# KiCad board badge.kicad_pcb (continued)
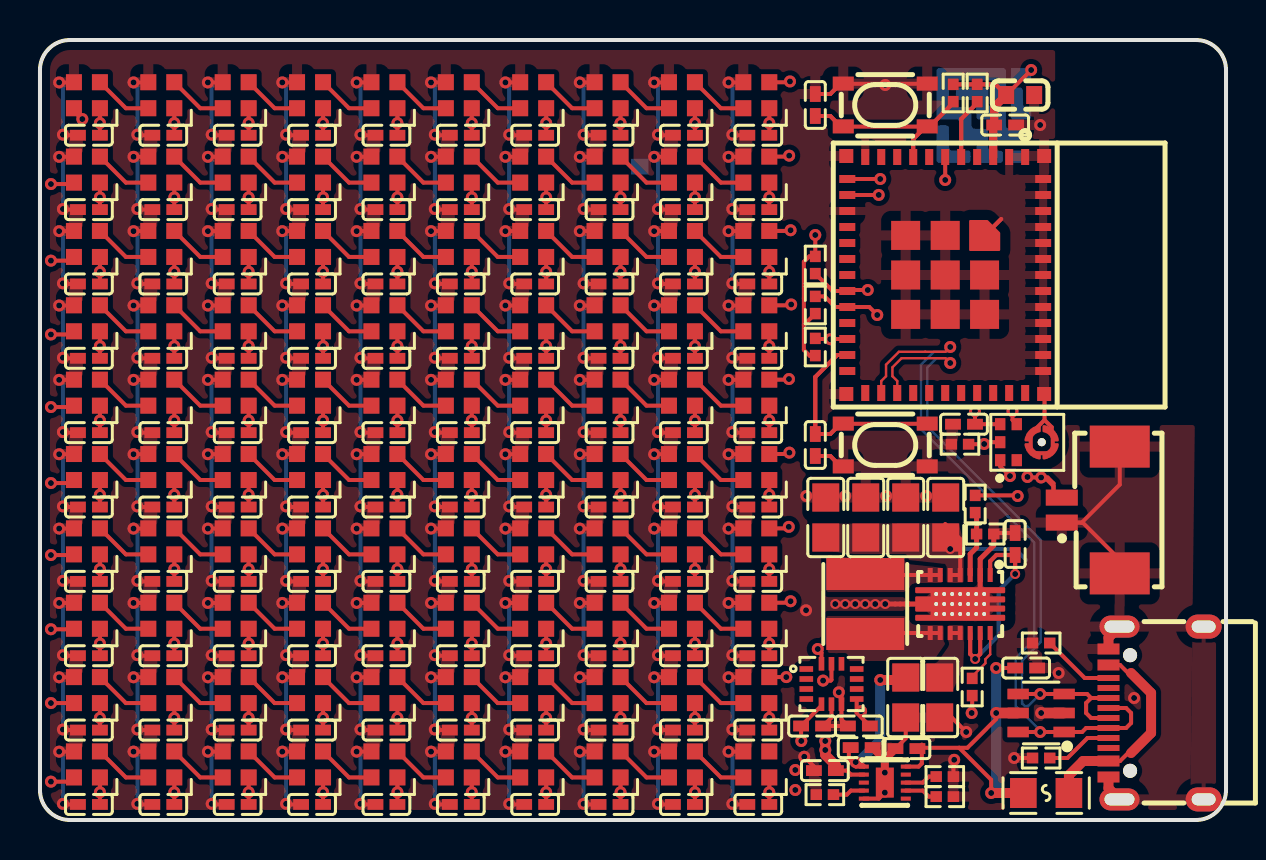
[diagram p0: board, top side]
## Library data of the parts (continued)
LED71 = -: __atopile_lib_fp_hash__: 180da655-92ec-f3a9-06cc-15ce99e7547f; LCSC: C2890036; Manufacturer: OPSCO; Partnumber: SK6805-EC20; atopile_address: led_grid.rows[7].leds[0].package; atopile_subaddresses: [.ato/modules/atopile/addressable-leds/layouts/default/default.kicad_pcb:package, layouts/grid100x100/grid100x100.kicad_pcb:rows[7].leds[0].package, layouts/strip10/strip10.kicad_pcb:leds[0].package]
LED72 = -: __atopile_lib_fp_hash__: 180da655-92ec-f3a9-06cc-15ce99e7547f; LCSC: C2890036; Manufacturer: OPSCO; Partnumber: SK6805-EC20; atopile_address: led_grid.rows[7].leds[1].package; atopile_subaddresses: [.ato/modules/atopile/addressable-leds/layouts/default/default.kicad_pcb:package, layouts/grid100x100/grid100x100.kicad_pcb:rows[7].leds[1].package, layouts/strip10/strip10.kicad_pcb:leds[1].package]
LED73 = -: __atopile_lib_fp_hash__: 180da655-92ec-f3a9-06cc-15ce99e7547f; LCSC: C2890036; Manufacturer: OPSCO; Partnumber: SK6805-EC20; atopile_address: led_grid.rows[7].leds[2].package; atopile_subaddresses: [.ato/modules/atopile/addressable-leds/layouts/default/default.kicad_pcb:package, layouts/grid100x100/grid100x100.kicad_pcb:rows[7].leds[2].package, layouts/strip10/strip10.kicad_pcb:leds[2].package]
LED74 = -: __atopile_lib_fp_hash__: 180da655-92ec-f3a9-06cc-15ce99e7547f; LCSC: C2890036; Manufacturer: OPSCO; Partnumber: SK6805-EC20; atopile_address: led_grid.rows[7].leds[3].package; atopile_subaddresses: [.ato/modules/atopile/addressable-leds/layouts/default/default.kicad_pcb:package, layouts/grid100x100/grid100x100.kicad_pcb:rows[7].leds[3].package, layouts/strip10/strip10.kicad_pcb:leds[3].package]
LED75 = -: __atopile_lib_fp_hash__: 180da655-92ec-f3a9-06cc-15ce99e7547f; LCSC: C2890036; Manufacturer: OPSCO; Partnumber: SK6805-EC20; atopile_address: led_grid.rows[7].leds[4].package; atopile_subaddresses: [.ato/modules/atopile/addressable-leds/layouts/default/default.kicad_pcb:package, layouts/grid100x100/grid100x100.kicad_pcb:rows[7].leds[4].package, layouts/strip10/strip10.kicad_pcb:leds[4].package]
LED76 = -: __atopile_lib_fp_hash__: 180da655-92ec-f3a9-06cc-15ce99e7547f; LCSC: C2890036; Manufacturer: OPSCO; Partnumber: SK6805-EC20; atopile_address: led_grid.rows[7].leds[5].package; atopile_subaddresses: [.ato/modules/atopile/addressable-leds/layouts/default/default.kicad_pcb:package, layouts/grid100x100/grid100x100.kicad_pcb:rows[7].leds[5].package, layouts/strip10/strip10.kicad_pcb:leds[5].package]
LED77 = -: __atopile_lib_fp_hash__: 180da655-92ec-f3a9-06cc-15ce99e7547f; LCSC: C2890036; Manufacturer: OPSCO; Partnumber: SK6805-EC20; atopile_address: led_grid.rows[7].leds[6].package; atopile_subaddresses: [.ato/modules/atopile/addressable-leds/layouts/default/default.kicad_pcb:package, layouts/grid100x100/grid100x100.kicad_pcb:rows[7].leds[6].package, layouts/strip10/strip10.kicad_pcb:leds[6].package]
LED78 = -: __atopile_lib_fp_hash__: 180da655-92ec-f3a9-06cc-15ce99e7547f; LCSC: C2890036; Manufacturer: OPSCO; Partnumber: SK6805-EC20; atopile_address: led_grid.rows[7].leds[7].package; atopile_subaddresses: [.ato/modules/atopile/addressable-leds/layouts/default/default.kicad_pcb:package, layouts/grid100x100/grid100x100.kicad_pcb:rows[7].leds[7].package, layouts/strip10/strip10.kicad_pcb:leds[7].package]
LED79 = -: __atopile_lib_fp_hash__: 180da655-92ec-f3a9-06cc-15ce99e7547f; LCSC: C2890036; Manufacturer: OPSCO; Partnumber: SK6805-EC20; atopile_address: led_grid.rows[7].leds[8].package; atopile_subaddresses: [.ato/modules/atopile/addressable-leds/layouts/default/default.kicad_pcb:package, layouts/grid100x100/grid100x100.kicad_pcb:rows[7].leds[8].package, layouts/strip10/strip10.kicad_pcb:leds[8].package]
LED80 = -: __atopile_lib_fp_hash__: 180da655-92ec-f3a9-06cc-15ce99e7547f; LCSC: C2890036; Manufacturer: OPSCO; Partnumber: SK6805-EC20; atopile_address: led_grid.rows[7].leds[9].package; atopile_subaddresses: [.ato/modules/atopile/addressable-leds/layouts/default/default.kicad_pcb:package, layouts/grid100x100/grid100x100.kicad_pcb:rows[7].leds[9].package, layouts/strip10/strip10.kicad_pcb:leds[9].package]
LED81 = -: __atopile_lib_fp_hash__: 180da655-92ec-f3a9-06cc-15ce99e7547f; LCSC: C2890036; Manufacturer: OPSCO; Partnumber: SK6805-EC20; atopile_address: led_grid.rows[8].leds[0].package; atopile_subaddresses: [.ato/modules/atopile/addressable-leds/layouts/default/default.kicad_pcb:package, layouts/grid100x100/grid100x100.kicad_pcb:rows[8].leds[0].package, layouts/strip10/strip10.kicad_pcb:leds[0].package]
LED82 = -: __atopile_lib_fp_hash__: 180da655-92ec-f3a9-06cc-15ce99e7547f; LCSC: C2890036; Manufacturer: OPSCO; Partnumber: SK6805-EC20; atopile_address: led_grid.rows[8].leds[1].package; atopile_subaddresses: [.ato/modules/atopile/addressable-leds/layouts/default/default.kicad_pcb:package, layouts/grid100x100/grid100x100.kicad_pcb:rows[8].leds[1].package, layouts/strip10/strip10.kicad_pcb:leds[1].package]
LED83 = -: __atopile_lib_fp_hash__: 180da655-92ec-f3a9-06cc-15ce99e7547f; LCSC: C2890036; Manufacturer: OPSCO; Partnumber: SK6805-EC20; atopile_address: led_grid.rows[8].leds[2].package; atopile_subaddresses: [.ato/modules/atopile/addressable-leds/layouts/default/default.kicad_pcb:package, layouts/grid100x100/grid100x100.kicad_pcb:rows[8].leds[2].package, layouts/strip10/strip10.kicad_pcb:leds[2].package]
LED84 = -: __atopile_lib_fp_hash__: 180da655-92ec-f3a9-06cc-15ce99e7547f; LCSC: C2890036; Manufacturer: OPSCO; Partnumber: SK6805-EC20; atopile_address: led_grid.rows[8].leds[3].package; atopile_subaddresses: [.ato/modules/atopile/addressable-leds/layouts/default/default.kicad_pcb:package, layouts/grid100x100/grid100x100.kicad_pcb:rows[8].leds[3].package, layouts/strip10/strip10.kicad_pcb:leds[3].package]
LED85 = -: __atopile_lib_fp_hash__: 180da655-92ec-f3a9-06cc-15ce99e7547f; LCSC: C2890036; Manufacturer: OPSCO; Partnumber: SK6805-EC20; atopile_address: led_grid.rows[8].leds[4].package; atopile_subaddresses: [.ato/modules/atopile/addressable-leds/layouts/default/default.kicad_pcb:package, layouts/grid100x100/grid100x100.kicad_pcb:rows[8].leds[4].package, layouts/strip10/strip10.kicad_pcb:leds[4].package]
LED86 = -: __atopile_lib_fp_hash__: 180da655-92ec-f3a9-06cc-15ce99e7547f; LCSC: C2890036; Manufacturer: OPSCO; Partnumber: SK6805-EC20; atopile_address: led_grid.rows[8].leds[5].package; atopile_subaddresses: [.ato/modules/atopile/addressable-leds/layouts/default/default.kicad_pcb:package, layouts/grid100x100/grid100x100.kicad_pcb:rows[8].leds[5].package, layouts/strip10/strip10.kicad_pcb:leds[5].package]
LED87 = -: __atopile_lib_fp_hash__: 180da655-92ec-f3a9-06cc-15ce99e7547f; LCSC: C2890036; Manufacturer: OPSCO; Partnumber: SK6805-EC20; atopile_address: led_grid.rows[8].leds[6].package; atopile_subaddresses: [.ato/modules/atopile/addressable-leds/layouts/default/default.kicad_pcb:package, layouts/grid100x100/grid100x100.kicad_pcb:rows[8].leds[6].package, layouts/strip10/strip10.kicad_pcb:leds[6].package]
LED88 = -: __atopile_lib_fp_hash__: 180da655-92ec-f3a9-06cc-15ce99e7547f; LCSC: C2890036; Manufacturer: OPSCO; Partnumber: SK6805-EC20; atopile_address: led_grid.rows[8].leds[7].package; atopile_subaddresses: [.ato/modules/atopile/addressable-leds/layouts/default/default.kicad_pcb:package, layouts/grid100x100/grid100x100.kicad_pcb:rows[8].leds[7].package, layouts/strip10/strip10.kicad_pcb:leds[7].package]
LED89 = -: __atopile_lib_fp_hash__: 180da655-92ec-f3a9-06cc-15ce99e7547f; LCSC: C2890036; Manufacturer: OPSCO; Partnumber: SK6805-EC20; atopile_address: led_grid.rows[8].leds[8].package; atopile_subaddresses: [.ato/modules/atopile/addressable-leds/layouts/default/default.kicad_pcb:package, layouts/grid100x100/grid100x100.kicad_pcb:rows[8].leds[8].package, layouts/strip10/strip10.kicad_pcb:leds[8].package]
LED90 = -: __atopile_lib_fp_hash__: 180da655-92ec-f3a9-06cc-15ce99e7547f; LCSC: C2890036; Manufacturer: OPSCO; Partnumber: SK6805-EC20; atopile_address: led_grid.rows[8].leds[9].package; atopile_subaddresses: [.ato/modules/atopile/addressable-leds/layouts/default/default.kicad_pcb:package, layouts/grid100x100/grid100x100.kicad_pcb:rows[8].leds[9].package, layouts/strip10/strip10.kicad_pcb:leds[9].package]
LED91 = -: __atopile_lib_fp_hash__: 180da655-92ec-f3a9-06cc-15ce99e7547f; LCSC: C2890036; Manufacturer: OPSCO; Partnumber: SK6805-EC20; atopile_address: led_grid.rows[9].leds[0].package; atopile_subaddresses: [.ato/modules/atopile/addressable-leds/layouts/default/default.kicad_pcb:package, layouts/grid100x100/grid100x100.kicad_pcb:rows[9].leds[0].package, layouts/strip10/strip10.kicad_pcb:leds[0].package]
LED92 = -: __atopile_lib_fp_hash__: 180da655-92ec-f3a9-06cc-15ce99e7547f; LCSC: C2890036; Manufacturer: OPSCO; Partnumber: SK6805-EC20; atopile_address: led_grid.rows[9].leds[1].package; atopile_subaddresses: [.ato/modules/atopile/addressable-leds/layouts/default/default.kicad_pcb:package, layouts/grid100x100/grid100x100.kicad_pcb:rows[9].leds[1].package, layouts/strip10/strip10.kicad_pcb:leds[1].package]
LED93 = -: __atopile_lib_fp_hash__: 180da655-92ec-f3a9-06cc-15ce99e7547f; LCSC: C2890036; Manufacturer: OPSCO; Partnumber: SK6805-EC20; atopile_address: led_grid.rows[9].leds[2].package; atopile_subaddresses: [.ato/modules/atopile/addressable-leds/layouts/default/default.kicad_pcb:package, layouts/grid100x100/grid100x100.kicad_pcb:rows[9].leds[2].package, layouts/strip10/strip10.kicad_pcb:leds[2].package]
LED94 = -: __atopile_lib_fp_hash__: 180da655-92ec-f3a9-06cc-15ce99e7547f; LCSC: C2890036; Manufacturer: OPSCO; Partnumber: SK6805-EC20; atopile_address: led_grid.rows[9].leds[3].package; atopile_subaddresses: [.ato/modules/atopile/addressable-leds/layouts/default/default.kicad_pcb:package, layouts/grid100x100/grid100x100.kicad_pcb:rows[9].leds[3].package, layouts/strip10/strip10.kicad_pcb:leds[3].package]
LED95 = -: __atopile_lib_fp_hash__: 180da655-92ec-f3a9-06cc-15ce99e7547f; LCSC: C2890036; Manufacturer: OPSCO; Partnumber: SK6805-EC20; atopile_address: led_grid.rows[9].leds[4].package; atopile_subaddresses: [.ato/modules/atopile/addressable-leds/layouts/default/default.kicad_pcb:package, layouts/grid100x100/grid100x100.kicad_pcb:rows[9].leds[4].package, layouts/strip10/strip10.kicad_pcb:leds[4].package]
LED96 = -: __atopile_lib_fp_hash__: 180da655-92ec-f3a9-06cc-15ce99e7547f; LCSC: C2890036; Manufacturer: OPSCO; Partnumber: SK6805-EC20; atopile_address: led_grid.rows[9].leds[5].package; atopile_subaddresses: [.ato/modules/atopile/addressable-leds/layouts/default/default.kicad_pcb:package, layouts/grid100x100/grid100x100.kicad_pcb:rows[9].leds[5].package, layouts/strip10/strip10.kicad_pcb:leds[5].package]
LED97 = -: __atopile_lib_fp_hash__: 180da655-92ec-f3a9-06cc-15ce99e7547f; LCSC: C2890036; Manufacturer: OPSCO; Partnumber: SK6805-EC20; atopile_address: led_grid.rows[9].leds[6].package; atopile_subaddresses: [.ato/modules/atopile/addressable-leds/layouts/default/default.kicad_pcb:package, layouts/grid100x100/grid100x100.kicad_pcb:rows[9].leds[6].package, layouts/strip10/strip10.kicad_pcb:leds[6].package]
LED98 = -: __atopile_lib_fp_hash__: 180da655-92ec-f3a9-06cc-15ce99e7547f; LCSC: C2890036; Manufacturer: OPSCO; Partnumber: SK6805-EC20; atopile_address: led_grid.rows[9].leds[7].package; atopile_subaddresses: [.ato/modules/atopile/addressable-leds/layouts/default/default.kicad_pcb:package, layouts/grid100x100/grid100x100.kicad_pcb:rows[9].leds[7].package, layouts/strip10/strip10.kicad_pcb:leds[7].package]
LED99 = -: __atopile_lib_fp_hash__: 180da655-92ec-f3a9-06cc-15ce99e7547f; LCSC: C2890036; Manufacturer: OPSCO; Partnumber: SK6805-EC20; atopile_address: led_grid.rows[9].leds[8].package; atopile_subaddresses: [.ato/modules/atopile/addressable-leds/layouts/default/default.kicad_pcb:package, layouts/grid100x100/grid100x100.kicad_pcb:rows[9].leds[8].package, layouts/strip10/strip10.kicad_pcb:leds[8].package]
LED100 = -: __atopile_lib_fp_hash__: 180da655-92ec-f3a9-06cc-15ce99e7547f; LCSC: C2890036; Manufacturer: OPSCO; Partnumber: SK6805-EC20; atopile_address: led_grid.rows[9].leds[9].package; atopile_subaddresses: [.ato/modules/atopile/addressable-leds/layouts/default/default.kicad_pcb:package, layouts/grid100x100/grid100x100.kicad_pcb:rows[9].leds[9].package, layouts/strip10/strip10.kicad_pcb:leds[9].package]
LOGO1 = -: __atopile_lib_fp_hash__: a6f4b020-c77c-5fe5-2484-78aef750a2fd; atopile_address: atopile_logo.logo; atopile_subaddresses: [.ato/modules/atopile/logos/layouts/atopile_logo_25x6mm/atopile_logo_25x6mm.kicad_pcb:logo]
R1 = -: Datasheet: https://www.lcsc.com/datasheet/lcsc_datasheet_2206010100_UNI-ROYAL-Uniroyal-Elec-0402WGF2003TCE_C25764.pdf; checksum: 333f6df0e4e1617c987dde252a9acb69257fe02061e79b2b6732e92a39f6e855; __atopile_lib_fp_hash__: 04e9ae95-ecb6-7b2b-d3a6-d184d2fc9ae1; LCSC: C25764; Manufacturer: UNI-ROYAL(Uniroyal Elec); Partnumber: 0402WGF2003TCE; PARAM_max_power: {"type": "Quantity_Set_Discrete", "data": {"intervals": {"type": "Numeric_Interval_Disjoint", "data": {"intervals": [{"type": "Numeric_Interval", "data": {"min": 0.0625, "max": 0.0625}}]}}, "unit": "watt"}}; PARAM_max_voltage: {"type": "Quantity_Set_Discrete", "data": {"intervals": {"type": "Numeric_Interval_Disjoint", "data": {"intervals": [{"type": "Numeric_Interval", "data": {"min": 50.0, "max": 50.0}}]}}, "unit": "volt"}}; PARAM_resistance: {"type": "Quantity_Interval_Disjoint", "data": {"intervals": {"type": "Numeric_Interval_Disjoint", "data": {"intervals": [{"type": "Numeric_Interval", "data": {"min": 198000.00004470348, "max": 201999.99995529652}}]}}, "unit": "ohm"}}; atopile_address: buck_boost.feedback_divider.r_bottom; atopile_subaddresses: [.ato/modules/atopile/ti-tps63020/layouts/default/default.kicad_pcb:feedback_divider.r_bottom]
R2 = -: Datasheet: https://www.lcsc.com/datasheet/lcsc_datasheet_2206010030_UNI-ROYAL-Uniroyal-Elec-0402WGF1004TCE_C26083.pdf; checksum: 4e5c80aeadf2e407e59edbc146a3be0359af5c5c3f9b75403df51c82660059ac; __atopile_lib_fp_hash__: bdae7d0f-916c-4c2a-0103-ba7f0cfd98f7; LCSC: C26083; Manufacturer: UNI-ROYAL(Uniroyal Elec); Partnumber: 0402WGF1004TCE; PARAM_max_power: {"type": "Quantity_Set_Discrete", "data": {"intervals": {"type": "Numeric_Interval_Disjoint", "data": {"intervals": [{"type": "Numeric_Interval", "data": {"min": 0.0625, "max": 0.0625}}]}}, "unit": "watt"}}; PARAM_max_voltage: {"type": "Quantity_Set_Discrete", "data": {"intervals": {"type": "Numeric_Interval_Disjoint", "data": {"intervals": [{"type": "Numeric_Interval", "data": {"min": 50.0, "max": 50.0}}]}}, "unit": "volt"}}; PARAM_resistance: {"type": "Quantity_Interval_Disjoint", "data": {"intervals": {"type": "Numeric_Interval_Disjoint", "data": {"intervals": [{"type": "Numeric_Interval", "data": {"min": 990000.0002235174, "max": 1009999.9997764826}}]}}, "unit": "ohm"}}; atopile_address: buck_boost.feedback_divider.r_top; atopile_subaddresses: [.ato/modules/atopile/ti-tps63020/layouts/default/default.kicad_pcb:feedback_divider.r_top]
R3 = -: Datasheet: https://www.lcsc.com/datasheet/lcsc_datasheet_2206010030_UNI-ROYAL-Uniroyal-Elec-0402WGF1004TCE_C26083.pdf; checksum: 4e5c80aeadf2e407e59edbc146a3be0359af5c5c3f9b75403df51c82660059ac; __atopile_lib_fp_hash__: bdae7d0f-916c-4c2a-0103-ba7f0cfd98f7; LCSC: C26083; Manufacturer: UNI-ROYAL(Uniroyal Elec); Partnumber: 0402WGF1004TCE; PARAM_max_power: {"type": "Quantity_Set_Discrete", "data": {"intervals": {"type": "Numeric_Interval_Disjoint", "data": {"intervals": [{"type": "Numeric_Interval", "data": {"min": 0.0625, "max": 0.0625}}]}}, "unit": "watt"}}; PARAM_max_voltage: {"type": "Quantity_Set_Discrete", "data": {"intervals": {"type": "Numeric_Interval_Disjoint", "data": {"intervals": [{"type": "Numeric_Interval", "data": {"min": 50.0, "max": 50.0}}]}}, "unit": "volt"}}; PARAM_resistance: {"type": "Quantity_Interval_Disjoint", "data": {"intervals": {"type": "Numeric_Interval_Disjoint", "data": {"intervals": [{"type": "Numeric_Interval", "data": {"min": 990000.0002235174, "max": 1009999.9997764826}}]}}, "unit": "ohm"}}; atopile_address: buck_boost.power_good_resistor; atopile_subaddresses: [.ato/modules/atopile/ti-tps63020/layouts/default/default.kicad_pcb:power_good_resistor]
R4 = -: Datasheet: https://www.lcsc.com/datasheet/lcsc_datasheet_2411221126_UNI-ROYAL-Uniroyal-Elec-0402WGF1002TCE_C25744.pdf; checksum: ab8092c5206f4459d5858c652ec7d6e0be05596abb3bee276846f4a8302a4aa7; __atopile_lib_fp_hash__: 6ac63c74-fffe-0d26-791c-a7d4300143f0; LCSC: C25744; Manufacturer: UNI-ROYAL(Uniroyal Elec); Partnumber: 0402WGF1002TCE; PARAM_max_power: {"type": "Quantity_Set_Discrete", "data": {"intervals": {"type": "Numeric_Interval_Disjoint", "data": {"intervals": [{"type": "Numeric_Interval", "data": {"min": 0.0625, "max": 0.0625}}]}}, "unit": "watt"}}; PARAM_max_voltage: {"type": "Quantity_Set_Discrete", "data": {"intervals": {"type": "Numeric_Interval_Disjoint", "data": {"intervals": [{"type": "Numeric_Interval", "data": {"min": 50.0, "max": 50.0}}]}}, "unit": "volt"}}; PARAM_resistance: {"type": "Quantity_Interval_Disjoint", "data": {"intervals": {"type": "Numeric_Interval_Disjoint", "data": {"intervals": [{"type": "Numeric_Interval", "data": {"min": 9900.000002235174, "max": 10099.999997764826}}]}}, "unit": "ohm"}}; atopile_address: charger.charge_current_limit_control_resistor; atopile_subaddresses: [.ato/modules/atopile/ti-bq25185/layouts/bq25185_driver/bq25185_driver.kicad_pcb:charge_current_limit_control_resistor]
R5 = -: Datasheet: https://www.lcsc.com/datasheet/lcsc_datasheet_2206010100_UNI-ROYAL-Uniroyal-Elec-0402WGF1003TCE_C25741.pdf; checksum: 7bb414525b622fc970be02895c7cc868e0825a843c504ab87c284a5ce6ebbcb7; __atopile_lib_fp_hash__: f465aa50-63a0-910d-63b6-1f640d079857; LCSC: C25741; Manufacturer: UNI-ROYAL(Uniroyal Elec); Partnumber: 0402WGF1003TCE; PARAM_max_power: {"type": "Quantity_Set_Discrete", "data": {"intervals": {"type": "Numeric_Interval_Disjoint", "data": {"intervals": [{"type": "Numeric_Interval", "data": {"min": 0.0625, "max": 0.0625}}]}}, "unit": "watt"}}; PARAM_max_voltage: {"type": "Quantity_Set_Discrete", "data": {"intervals": {"type": "Numeric_Interval_Disjoint", "data": {"intervals": [{"type": "Numeric_Interval", "data": {"min": 50.0, "max": 50.0}}]}}, "unit": "volt"}}; PARAM_resistance: {"type": "Quantity_Interval_Disjoint", "data": {"intervals": {"type": "Numeric_Interval_Disjoint", "data": {"intervals": [{"type": "Numeric_Interval", "data": {"min": 99000.00002235174, "max": 100999.99997764826}}]}}, "unit": "ohm"}}; atopile_address: microphone.sd_pulldown_resistor; atopile_subaddresses: [.ato/modules/atopile/microphones/layouts/tdk_invensense_ics_43434/tdk_invensense_ics_43434.kicad_pcb:sd_pulldown_resistor]
R6 = -: Datasheet: https://www.lcsc.com/datasheet/lcsc_datasheet_2206010045_UNI-ROYAL-Uniroyal-Elec-0402WGF5101TCE_C25905.pdf; checksum: 37a3d3b66d62384d2410d66a66b7d3f37c94edcc0b313eceb37e033449c2a411; __atopile_lib_fp_hash__: ee092677-e336-9dc2-612a-587e83df734b; LCSC: C25905; Manufacturer: UNI-ROYAL(Uniroyal Elec); Partnumber: 0402WGF5101TCE; PARAM_max_power: {"type": "Quantity_Set_Discrete", "data": {"intervals": {"type": "Numeric_Interval_Disjoint", "data": {"intervals": [{"type": "Numeric_Interval", "data": {"min": 0.0625, "max": 0.0625}}]}}, "unit": "watt"}}; PARAM_max_voltage: {"type": "Quantity_Set_Discrete", "data": {"intervals": {"type": "Numeric_Interval_Disjoint", "data": {"intervals": [{"type": "Numeric_Interval", "data": {"min": 50.0, "max": 50.0}}]}}, "unit": "volt"}}; PARAM_resistance: {"type": "Quantity_Interval_Disjoint", "data": {"intervals": {"type": "Numeric_Interval_Disjoint", "data": {"intervals": [{"type": "Numeric_Interval", "data": {"min": 5049.000001139939, "max": 5150.999998860061}}]}}, "unit": "ohm"}}; atopile_address: usb_c.cc_resistors[0]; atopile_subaddresses: [.ato/modules/atopile/usb-connectors/layouts/default/default.kicad_pcb:cc_resistors[0]]
R7 = -: Datasheet: https://www.lcsc.com/datasheet/lcsc_datasheet_2411221126_UNI-ROYAL-Uniroyal-Elec-0402WGF1002TCE_C25744.pdf; checksum: ab8092c5206f4459d5858c652ec7d6e0be05596abb3bee276846f4a8302a4aa7; __atopile_lib_fp_hash__: 6ac63c74-fffe-0d26-791c-a7d4300143f0; LCSC: C25744; Manufacturer: UNI-ROYAL(Uniroyal Elec); Partnumber: 0402WGF1002TCE; PARAM_max_power: {"type": "Quantity_Set_Discrete", "data": {"intervals": {"type": "Numeric_Interval_Disjoint", "data": {"intervals": [{"type": "Numeric_Interval", "data": {"min": 0.0625, "max": 0.0625}}]}}, "unit": "watt"}}; PARAM_max_voltage: {"type": "Quantity_Set_Discrete", "data": {"intervals": {"type": "Numeric_Interval_Disjoint", "data": {"intervals": [{"type": "Numeric_Interval", "data": {"min": 50.0, "max": 50.0}}]}}, "unit": "volt"}}; PARAM_resistance: {"type": "Quantity_Interval_Disjoint", "data": {"intervals": {"type": "Numeric_Interval_Disjoint", "data": {"intervals": [{"type": "Numeric_Interval", "data": {"min": 9900.000002235174, "max": 10099.999997764826}}]}}, "unit": "ohm"}}; atopile_address: microcontroller.boot_mode_resistors[0]; atopile_subaddresses: [.ato/modules/atopile/espressif-esp32-c3/layouts/esp32_c3_mini_1_driver/esp32_c3_mini_1_driver.kicad_pcb:boot_mode_resistors[0]]
R8 = -: Datasheet: https://www.lcsc.com/datasheet/lcsc_datasheet_2411221126_UNI-ROYAL-Uniroyal-Elec-0402WGF1002TCE_C25744.pdf; checksum: ab8092c5206f4459d5858c652ec7d6e0be05596abb3bee276846f4a8302a4aa7; __atopile_lib_fp_hash__: 6ac63c74-fffe-0d26-791c-a7d4300143f0; LCSC: C25744; Manufacturer: UNI-ROYAL(Uniroyal Elec); Partnumber: 0402WGF1002TCE; PARAM_max_power: {"type": "Quantity_Set_Discrete", "data": {"intervals": {"type": "Numeric_Interval_Disjoint", "data": {"intervals": [{"type": "Numeric_Interval", "data": {"min": 0.0625, "max": 0.0625}}]}}, "unit": "watt"}}; PARAM_max_voltage: {"type": "Quantity_Set_Discrete", "data": {"intervals": {"type": "Numeric_Interval_Disjoint", "data": {"intervals": [{"type": "Numeric_Interval", "data": {"min": 50.0, "max": 50.0}}]}}, "unit": "volt"}}; PARAM_resistance: {"type": "Quantity_Interval_Disjoint", "data": {"intervals": {"type": "Numeric_Interval_Disjoint", "data": {"intervals": [{"type": "Numeric_Interval", "data": {"min": 9900.000002235174, "max": 10099.999997764826}}]}}, "unit": "ohm"}}; atopile_address: microcontroller.boot_mode_resistors[1]; atopile_subaddresses: [.ato/modules/atopile/espressif-esp32-c3/layouts/esp32_c3_mini_1_driver/esp32_c3_mini_1_driver.kicad_pcb:boot_mode_resistors[1]]
R9 = -: Datasheet: https://www.lcsc.com/datasheet/lcsc_datasheet_2206010045_UNI-ROYAL-Uniroyal-Elec-0402WGF5101TCE_C25905.pdf; checksum: 37a3d3b66d62384d2410d66a66b7d3f37c94edcc0b313eceb37e033449c2a411; __atopile_lib_fp_hash__: ee092677-e336-9dc2-612a-587e83df734b; LCSC: C25905; Manufacturer: UNI-ROYAL(Uniroyal Elec); Partnumber: 0402WGF5101TCE; PARAM_max_power: {"type": "Quantity_Set_Discrete", "data": {"intervals": {"type": "Numeric_Interval_Disjoint", "data": {"intervals": [{"type": "Numeric_Interval", "data": {"min": 0.0625, "max": 0.0625}}]}}, "unit": "watt"}}; PARAM_max_voltage: {"type": "Quantity_Set_Discrete", "data": {"intervals": {"type": "Numeric_Interval_Disjoint", "data": {"intervals": [{"type": "Numeric_Interval", "data": {"min": 50.0, "max": 50.0}}]}}, "unit": "volt"}}; PARAM_resistance: {"type": "Quantity_Interval_Disjoint", "data": {"intervals": {"type": "Numeric_Interval_Disjoint", "data": {"intervals": [{"type": "Numeric_Interval", "data": {"min": 5049.000001139939, "max": 5150.999998860061}}]}}, "unit": "ohm"}}; atopile_address: usb_c.cc_resistors[1]; atopile_subaddresses: [.ato/modules/atopile/usb-connectors/layouts/default/default.kicad_pcb:cc_resistors[1]]
R11 = -: Datasheet: https://www.lcsc.com/datasheet/lcsc_datasheet_2411221126_UNI-ROYAL-Uniroyal-Elec-0402WGF1002TCE_C25744.pdf; checksum: ab8092c5206f4459d5858c652ec7d6e0be05596abb3bee276846f4a8302a4aa7; __atopile_lib_fp_hash__: 6ac63c74-fffe-0d26-791c-a7d4300143f0; LCSC: C25744; Manufacturer: UNI-ROYAL(Uniroyal Elec); Partnumber: 0402WGF1002TCE; PARAM_max_power: {"type": "Quantity_Set_Discrete", "data": {"intervals": {"type": "Numeric_Interval_Disjoint", "data": {"intervals": [{"type": "Numeric_Interval", "data": {"min": 0.0625, "max": 0.0625}}]}}, "unit": "watt"}}; PARAM_max_voltage: {"type": "Quantity_Set_Discrete", "data": {"intervals": {"type": "Numeric_Interval_Disjoint", "data": {"intervals": [{"type": "Numeric_Interval", "data": {"min": 50.0, "max": 50.0}}]}}, "unit": "volt"}}; PARAM_resistance: {"type": "Quantity_Interval_Disjoint", "data": {"intervals": {"type": "Numeric_Interval_Disjoint", "data": {"intervals": [{"type": "Numeric_Interval", "data": {"min": 9900.000002235174, "max": 10099.999997764826}}]}}, "unit": "ohm"}}; atopile_address: charger.charge_enable_resistor; atopile_subaddresses: [.ato/modules/atopile/ti-bq25185/layouts/bq25185_driver/bq25185_driver.kicad_pcb:charge_enable_resistor]
R12 = -: Datasheet: https://www.lcsc.com/datasheet/lcsc_datasheet_2304140030_YAGEO-RC0402FR-0718KL_C138044.pdf; checksum: f9cd3035530f911fd25b5235e8f2dcd6f004a19ee6e0ae29ed80386cc955b6c5; __atopile_lib_fp_hash__: 21e47e5b-20ce-6fbf-8181-66f6aab3f72d; LCSC: C138044; Manufacturer: YAGEO; Partnumber: RC0402FR-0718KL; PARAM_max_power: {"type": "Quantity_Set_Discrete", "data": {"intervals": {"type": "Numeric_Interval_Disjoint", "data": {"intervals": [{"type": "Numeric_Interval", "data": {"min": 0.0625, "max": 0.0625}}]}}, "unit": "watt"}}; PARAM_max_voltage: {"type": "Quantity_Set_Discrete", "data": {"intervals": {"type": "Numeric_Interval_Disjoint", "data": {"intervals": [{"type": "Numeric_Interval", "data": {"min": 50.0, "max": 50.0}}]}}, "unit": "volt"}}; PARAM_resistance: {"type": "Quantity_Interval_Disjoint", "data": {"intervals": {"type": "Numeric_Interval_Disjoint", "data": {"intervals": [{"type": "Numeric_Interval", "data": {"min": 17820.000004023314, "max": 18179.999995976686}}]}}, "unit": "ohm"}}; atopile_address: charger.input_current_voltage_control_resistor.resistor; atopile_subaddresses: [.ato/modules/atopile/ti-bq25185/layouts/bq25185_driver/bq25185_driver.kicad_pcb:input_current_voltage_control_resistor.resistor]
R13 = -: Datasheet: https://www.lcsc.com/datasheet/lcsc_datasheet_2206010045_UNI-ROYAL-Uniroyal-Elec-0402WGF4701TCE_C25900.pdf; checksum: 0d598954a8da2c09676a6e60c961071badf97dacbdec513c849e6b4b9da6a890; __atopile_lib_fp_hash__: 66a6df7a-35db-d48c-1b44-17c6253711c4; LCSC: C25900; Manufacturer: UNI-ROYAL(Uniroyal Elec); Partnumber: 0402WGF4701TCE; PARAM_max_power: {"type": "Quantity_Set_Discrete", "data": {"intervals": {"type": "Numeric_Interval_Disjoint", "data": {"intervals": [{"type": "Numeric_Interval", "data": {"min": 0.0625, "max": 0.0625}}]}}, "unit": "watt"}}; PARAM_max_voltage: {"type": "Quantity_Set_Discrete", "data": {"intervals": {"type": "Numeric_Interval_Disjoint", "data": {"intervals": [{"type": "Numeric_Interval", "data": {"min": 50.0, "max": 50.0}}]}}, "unit": "volt"}}; PARAM_resistance: {"type": "Quantity_Interval_Disjoint", "data": {"intervals": {"type": "Numeric_Interval_Disjoint", "data": {"intervals": [{"type": "Numeric_Interval", "data": {"min": 4653.000001050532, "max": 4746.999998949468}}]}}, "unit": "ohm"}}; atopile_address: pullup_resistors[0]
R14 = -: Datasheet: https://www.lcsc.com/datasheet/lcsc_datasheet_2206010045_UNI-ROYAL-Uniroyal-Elec-0402WGF4701TCE_C25900.pdf; checksum: 0d598954a8da2c09676a6e60c961071badf97dacbdec513c849e6b4b9da6a890; __atopile_lib_fp_hash__: 66a6df7a-35db-d48c-1b44-17c6253711c4; LCSC: C25900; Manufacturer: UNI-ROYAL(Uniroyal Elec); Partnumber: 0402WGF4701TCE; PARAM_max_power: {"type": "Quantity_Set_Discrete", "data": {"intervals": {"type": "Numeric_Interval_Disjoint", "data": {"intervals": [{"type": "Numeric_Interval", "data": {"min": 0.0625, "max": 0.0625}}]}}, "unit": "watt"}}; PARAM_max_voltage: {"type": "Quantity_Set_Discrete", "data": {"intervals": {"type": "Numeric_Interval_Disjoint", "data": {"intervals": [{"type": "Numeric_Interval", "data": {"min": 50.0, "max": 50.0}}]}}, "unit": "volt"}}; PARAM_resistance: {"type": "Quantity_Interval_Disjoint", "data": {"intervals": {"type": "Numeric_Interval_Disjoint", "data": {"intervals": [{"type": "Numeric_Interval", "data": {"min": 4653.000001050532, "max": 4746.999998949468}}]}}, "unit": "ohm"}}; atopile_address: pullup_resistors[1]
R15 = -: Datasheet: https://www.lcsc.com/datasheet/lcsc_datasheet_2411221126_UNI-ROYAL-Uniroyal-Elec-0402WGF1002TCE_C25744.pdf; checksum: ab8092c5206f4459d5858c652ec7d6e0be05596abb3bee276846f4a8302a4aa7; __atopile_lib_fp_hash__: 6ac63c74-fffe-0d26-791c-a7d4300143f0; LCSC: C25744; Manufacturer: UNI-ROYAL(Uniroyal Elec); Partnumber: 0402WGF1002TCE; PARAM_max_power: {"type": "Quantity_Set_Discrete", "data": {"intervals": {"type": "Numeric_Interval_Disjoint", "data": {"intervals": [{"type": "Numeric_Interval", "data": {"min": 0.0625, "max": 0.0625}}]}}, "unit": "watt"}}; PARAM_max_voltage: {"type": "Quantity_Set_Discrete", "data": {"intervals": {"type": "Numeric_Interval_Disjoint", "data": {"intervals": [{"type": "Numeric_Interval", "data": {"min": 50.0, "max": 50.0}}]}}, "unit": "volt"}}; PARAM_resistance: {"type": "Quantity_Interval_Disjoint", "data": {"intervals": {"type": "Numeric_Interval_Disjoint", "data": {"intervals": [{"type": "Numeric_Interval", "data": {"min": 9900.000002235174, "max": 10099.999997764826}}]}}, "unit": "ohm"}}; atopile_address: microcontroller.reset_pullup_resistor; atopile_subaddresses: [.ato/modules/atopile/espressif-esp32-c3/layouts/esp32_c3_mini_1_driver/esp32_c3_mini_1_driver.kicad_pcb:reset_pullup_resistor]